# Altium PCB Copy of PCB.PcbDoc (continued)
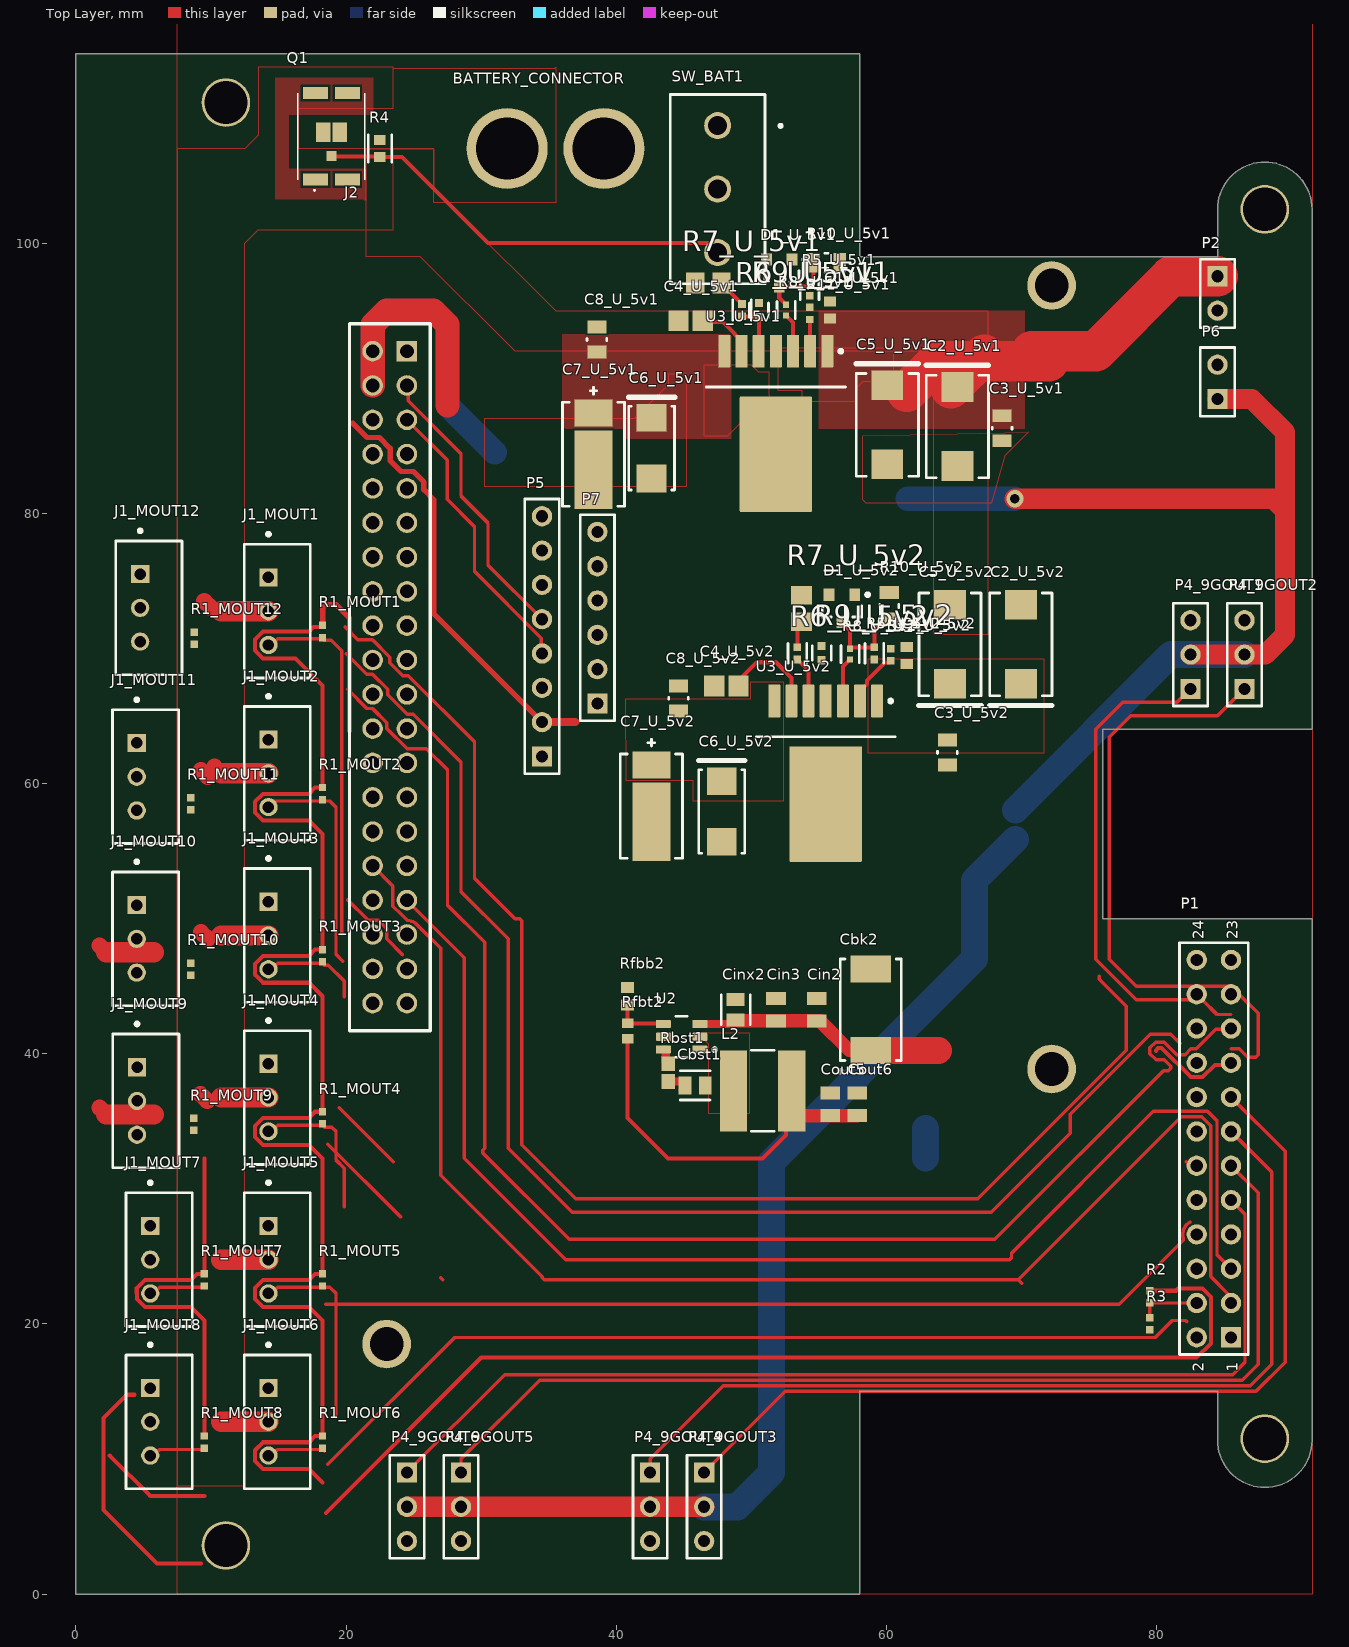
[diagram p0: Top Layer view]
## Footprints (in the part's own frame and the unit in brackets; to place one, negate y for a bottom-side part, rotate by r counter-clockwise, add the part's x,y. Pads: shape width x height; smd on the part's side, far side on the other; paste and mask are expansions set on the pad) (continued)
  rect 5.82x2.82 smd paste+0 mask+0: 1(1.15,0)
  rect 2.02x2.82 smd paste+0 mask+0: 2(-3.05,0)
  silkscreen extent -4.95,-2.3 3.85,2.3, body extent -4.18,-2.42 4.18,2.42, height 0.25
HDR1X2 [mm] "Connector; Header; 2 Position"
  rect 1.5x1.5 hole 0.9: 1(0,0)
  round 1.5 hole 0.9: 2(2.54,0)
  silkscreen extent -1.27,-1.27 3.81,1.27
HDR1X3 [mm] "Connector; Header; 3 Position"
  rect 1.5x1.5 hole 0.9: 1(0,0)
  round 1.5 hole 0.9: 2(2.54,0) 3(5.08,0)
  silkscreen extent -1.27,-1.27 6.35,1.27
HDR1X6 [mm] "Connector; Header; 6 Position"
  rect 1.5x1.5 hole 0.9: 1(0,0)
  round 1.5 hole 0.9: 2(2.54,0) 3(5.08,0) 4(7.62,0) 5(10.16,0) 6(12.7,0)
  silkscreen extent -1.27,-1.27 13.97,1.27
HDR1X8 [mm] "Connector; Header; 8 Position"
  rect 1.5x1.5 hole 0.9: 1(0,0)
  round 1.5 hole 0.9: 2(2.54,0) 3(5.08,0) 4(7.62,0) 5(10.16,0) 6(12.7,0) 7(15.24,0) 8(17.78,0)
  silkscreen extent -1.27,-1.27 19.05,1.27
HDR2X12 [mm] "Connector; Header; 12x2 Position"
  rect 1.5x1.5 hole 0.9: 1(0,0)
  round 1.5 hole 0.9: 2(0,2.54) 3(2.54,0) 4(2.54,2.54) 5(5.08,0) 6(5.08,2.54) 7(7.62,0) 8(7.62,2.54) 9(10.16,0) 10(10.16,2.54) 11(12.7,0) 12(12.7,2.54) 13(15.24,0) 14(15.24,2.54) 15(17.78,0) 16(17.78,2.54) 17(20.32,0) 18(20.32,2.54) 19(22.86,0) 20(22.86,2.54) 21(25.4,0) 22(25.4,2.54) 23(27.94,0) 24(27.94,2.54)
  silkscreen extent -1.27,-1.27 29.21,3.81
IRF9383MTRPBF [mm]
  rect 0.9x1.85 smd: 1(-3.2,1.175) 2(-3.2,-1.175) 6(3.2,1.175) 7(3.2,-1.175)
  rect 0.75x0.75 smd: 3(-1.45,0)
  rect 1.45x1.05 smd: 4(0.3,0.61) 5(0.3,-0.61)
  silkscreen extent -4.05,-2.47 3.2,2.47, body extent -3.56,-2.47 3.56,2.47, height 0.8
KEMT-T495-D_L [mm] "Molded Capacitor, 2-Leads, Body 7.6x4.6mm, IPC High Density"
  rect 2.2x2.35 smd: 1(-2.925,0) 2(2.925,0)
  silkscreen extent -4.52,-2.3 3.8,2.3, body extent -4.02,-2.3 4.02,2.3, height 3.1
Molex_22-03-5035_0 [mm]
  rect 1.35x1.35 hole 0.85 paste-1000 mask+0: 1(2.5,0.65)
  round 1.35 hole 0.85 paste-1000 mask+0: 2(0,0.65) 3(-2.5,0.65)
  silkscreen extent -4.95,-2.45 5.82,2.45, body extent -4.95,-2.45 4.95,2.45, height 5.96
NDW0007A_V [mm] "D2-PAK, 8-Leads, Body 9.9x10.2mm, Pitch 1.27mm, Lead Span 13.8mm, TI Recommended"
  rrect11% 2.41x0.89 smd: 1(-5.35,3.81) 2(-5.35,2.54) 3(-5.35,1.27) 4(-5.35,0) 5(-5.35,-1.27) 6(-5.35,-2.54) 7(-5.35,-3.81)
  rrect2% 8.54x5.35 smd: 8(2.28,0)
  silkscreen extent -5.47,-5.15 -2.7,5.15, body extent -2.55,-5.2 7.55,5.2, height 4.67
ONSC-SOT-23-3-318-08_V [mm] "SOT23, 3-Leads, Body 2.92x1.3mm, Pitch 0.95mm"
  rect 0.9x0.8 smd: 1(-1,0.95) 2(-1,-0.95) 3(1,0)
  silkscreen extent -1.12,-1.46 0.65,2.03, body extent -0.65,-1.46 0.65,1.46, height 1.11
RESC1005X40X25NL05T05 [mm] "Chip Resistor, 2-Leads, Body 1.00x0.50mm, IPC Medium Density"
  rect 0.55x0.55 smd: 1(-0.45,0) 2(0.45,0)
  body extent -0.53,-0.27 0.53,0.28, height 0.4
RESC1608X55N [mm]
  rect 1.1x1 smd: 1(-0.65,0) 2(0.65,0)
  body extent -0.8,-0.4 0.8,0.4, height 0.55
RESC1609X50X30LL10T20 [mm] "Chip Resistor, 2-Leads, Body 1.55x0.85mm, IPC High Density"
  rect 0.7x0.85 smd: 1(-0.575,0) 2(0.575,0)
  body extent -0.82,-0.48 0.82,0.48, height 0.5
RESC1609X50X30NL8T20 [mm] "Chip Resistor, 2-Leads, Body 1.65x0.95mm, IPC Medium Density"
  rect 0.8x0.95 smd: 1(-0.65,0) 2(0.65,0)
  body extent -0.82,-0.48 0.82,0.48, height 0.5
RESC2013X70X40ML20T20 [mm] "Chip Resistor, 2-Leads, Body 2.00x1.25mm, IPC Low Density"
  rect 1.35x1.55 smd: 1(-0.975,0) 2(0.975,0)
  body extent -1.1,-0.72 1.1,0.72, height 0.7
SRN6045_1 [mm]
  rect 2.01x6 smd: 1(-2.15,0) 2(2.15,0)
  silkscreen extent -0.85,-3 0.85,3, body extent -3,-3 3,3, height 4.5
TPSD476K020R0100 [mm] "Molded Capacitor, 2-Leads, Body 7.50x4.5mm"
  rect 2x3 smd: 1(-3,0) 2(3,0)
  silkscreen extent -4.67,-2.25 3.75,2.37, body extent -3.97,-2.25 3.97,2.25, height 3.1

## Part data
BATTERY_CONNECTOR: library part BATTERY_CONNECTOR, "XT60 PRT-10474"
C1_U_5v1 C1_U_5v2: library part CMP-2006-00011-1, Manufacturer=Vitramon, Part Number=VJ0603Y103KXAAC31
C2_U_5v1 C2_U_5v2 C5_U_5v1 C5_U_5v2: library part CMP-2000-07208-1, "Capacitor, Tantalum, 150 uF, +/- 10%, 10 V, -55 to 125 degC, 2-Pin SMD, RoHS, Tape and Reel", Capacitance=150µF, Capacitance Tolerance=±10%, Capacitor Case Style=2917, Capacitor Terminals=SMD, Manufacturer=Kemet, Operating Temperature Range=-55°Cto+125°C, Package Description="2-Pin Surface Mount Device, Body 7.3 x 4.3 mm", Package Reference=T495-D, Voltage Rating=10V, Datasheet URL=http://capacitoredge.kemet.com/capedge2/DataSheet/Datasheet-T495D157K010ATE100.pdf?pn=T495D157K010ATE100, Datasheet Version=09/2016, ESR=0.1ohm, Manufacturer URL=http://www.kemet.com/, Mounting Technology=SurfaceMount, MSL=MSL1-Unlimited
C3_U_5v1 C3_U_5v2 C8_U_5v1 C8_U_5v2: library part CMP-03422-000052-1, "CAP CER 0.047UF 50V X7R 0805", Capacitance="47 nF", Manufacturer=Yageo, Package=CC0805-0.85, Temperature="-30°C to +85°C", Temperature Characteristic=X7R, Temperature Range High=+85°C, Temperature Range Low=-30°C, Tolerance=0.1, Voltage Rating="50 V", Automotive=No, Category=Cap, ComponentLink2Description=Datasheet, ComponentLink2URL=http://www.yageo.com/documents/recent/UPY-GPHC_Y5V_6.3V-to-50V_8.pdf, Device Class L1="Passive Components", Device Class L2=Capacitors, Device Class L3="Ceramic Capacitors", Digikey Description="CAP CER 0.047UF 50V X7R 0805", Footprint Url=http://www.yageo.com/exep/pages/download/literatures/UPY-C_GEN_24.pdf, Height=0.95mm, Ipc Land Pattern Name=CAPC200125X85, Lead Free=Yes, Manufacturer Part Number=CC0805KRX7R9BB473, Material=Ceramic, Mouser Description="Multilayer Ceramic Capacitors MLCC - SMD/SMT 47nF 50V X7R 10%", Octopart=https://octopart.com/cc0805krx7r9bb473-yageo-42181304, RoHS=TRUE
C4_U_5v1 C4_U_5v2: library part CMP-2007-03309-1, Manufacturer=Kemet, Part Number=C0805F474K3RACTU
C6_U_5v1 C6_U_5v2: library part CMP-2000-07293-1, "TPS Series, Low ESR, 100 uF, +/- 10%, 10 V, -55 to 125 degC, 2-Pin SMD (2312), RoHS, Tape and Reel", Capacitance=100000000pF, Case Code=C, Case Style=Molded, Manufacturer=AVX, Operating Temp Range=-55Cto125C, Package / Case=6032-28, Package Description="2-Pin Surface Mount Device, Body 6 x 3.25 mm", Package Reference=C2312, Tolerance (+ or -)=10%, Voltage=10VDC, Construction=SMTChip, Datasheet URL=http://download.siliconexpert.com/pdfs/2016/2/7/1/56/13/306/avx_/manual/6tps.pdf, Datasheet Version=01/2016, DCL=10uA, DELETED=Compliant, DF=8%, ESR=0.075ohm, Failure Rate=NotRequired, Insulation=NotRequired, Lead Spacing (nom)=NotRequiredmm, Length W/Weld=NotRequiredmm, Length W/Weld (max)=NotRequiredmm, Manufacturer URL=http://www.avx.com/, Mounting Style=SurfaceMount, Mounting Technology=SurfaceMount, Package URL=http://download.siliconexpert.com/pdfs/2016/2/7/1/56/13/306/avx_/manual/6tps.pdf, Packaging=TapeandReel, Polarity=Polar, Product Depth (mm)=3.2mm, Product Diameter (mm)=NotRequiredmm, Product Height (mm)=2.6mm, Product Length (mm)=6mm, Rad Hardened=No, Seal=NotRequired, Seated Plane Height=NotRequiredmm, Wire Form=NotRequired
C7_U_5v1 C7_U_5v2: library part CMP-03017-000006-1, "CAP TANT POLY 220UF 6.3V 2917", Capacitance=220uF, Case Code (Imperial)=2917, Case Code (Metric)=7343, ESR (Equivalent Series Resistance)=9mR, Leakage Current=138.6uA, Max Operating Temperature=105°C, Min Operating Temperature=-55°C, Package Quantity=1, Ripple Current=6A, Tolerance=20%, Voltage Rating=6.3V, Case/Package=2917, Construction=Flat, Depth=4.3mm, Dissipation Factor=10%, Features="General Purpose", Height=1.7mm, Height - Seated (Max)=0.067inch, Length=7.3mm, Mount="Surface Mount", Packaging="Tape and Reel", Polarity=Polar, REACH SVHC="No SVHC", RoHS Compliant=Yes, Series="KO-CAP T528", Termination=SMD/SMT, Voltage Rating (DC)=6.3V, Width=4.3mm
Cbk2: "CAP TANT 47UF 20V 10% 2917", Capacitance=47uF, Case Code (Imperial)=2917, Case Code (Metric)=7343, Dielectric Material=Tantalum, ESR (Equivalent Series Resistance)=100mR, Leakage Current=9.4uA, Manufacturer="Kyocera AVX", Max Operating Temperature=125°C, Min Operating Temperature=-55°C, Package Quantity=1, Ripple Current=490uA, Tolerance=10%, Voltage=20V, Case/Package=2917, Category="Tantalum Capacitors", ComponentLink1Description=https://datasheet.ciiva.com/11794/0900766b80962b61-11794592.pdf?src-supplier=RSComponents, ComponentLink1URL=https://datasheet.ciiva.com/11794/0900766b80962b61-11794592.pdf?src-supplier=RSComponents, ComponentLink2Description=https://datasheet.ciiva.com/39121/1154520-39121511.pdf?src-supplier=Jameco, ComponentLink2URL=https://datasheet.ciiva.com/39121/1154520-39121511.pdf?src-supplier=Jameco, ComponentLink3Description=https://datasheet.ciiva.com/26787/tpsd476k020r0100-26787068.pdf?src-supplier=IIIC, ComponentLink3URL=https://datasheet.ciiva.com/26787/tpsd476k020r0100-26787068.pdf?src-supplier=IIIC, ComponentLink4Description=https://datasheet.ciiva.com/7713/1680477-7713477.pdf?src-supplier=Element14, ComponentLink4URL=https://datasheet.ciiva.com/7713/1680477-7713477.pdf?src-supplier=Element14, ComponentLink5Description=https://datasheet.ciiva.com/7713/1680477-7713478.pdf?src-supplier=Element14, ComponentLink5URL=https://datasheet.ciiva.com/7713/1680477-7713478.pdf?src-supplier=Element14, ComponentLink6Description=https://datasheet.ciiva.com/16632/tps-16632569.pdf?src-supplier=Avnet+Europe, ComponentLink6URL=https://datasheet.ciiva.com/16632/tps-16632569.pdf?src-supplier=Avnet+Europe, ComponentLink7Description=https://datasheet.ciiva.com/12910/tps-23028-12910555.pdf?src-supplier=Mouser, ComponentLink7URL=https://datasheet.ciiva.com/12910/tps-23028-12910555.pdf?src-supplier=Mouser, ComponentLink8Description=https://datasheet.ciiva.com/11232/tps-11232172.pdf?src-supplier=Avnet, ComponentLink8URL=https://datasheet.ciiva.com/11232/tps-11232172.pdf?src-supplier=Avnet, ComponentLink9Description=https://datasheet.ciiva.com/265/tps-265005.pdf?src-supplier=Digi-Key, ComponentLink9URL=https://datasheet.ciiva.com/265/tps-265005.pdf?src-supplier=Digi-Key, ComponentLink10Description=https://datasheet.ciiva.com/265/tps-265006.pdf?src-supplier=Digi-Key, ComponentLink10URL=https://datasheet.ciiva.com/265/tps-265006.pdf?src-supplier=Digi-Key, ComponentLink11Description=https://datasheet.ciiva.com/265/tps-265007.pdf?src-supplier=Digi-Key, ComponentLink11URL=https://datasheet.ciiva.com/265/tps-265007.pdf?src-supplier=Digi-Key, Depth=4.3mm, Dissipation Factor=6%, Features="General Purpose", Height=2.9mm, Height - Seated (Max)=0.122inch, Lead Free="Lead Free", Length=7.3mm, Manufacturer Part Number=TPSD476K020R0100, Mount="Surface Mount", Packaging="Tape and Reel", Polarity=Polar, Pricing 1="1=1.88550, 10=1.55250, 25=1.53920, 50=1.52390, 100=1.08810, 1000=1.02300 (USD)", Radiation Hardening=No, REACH SVHC="No SVHC", RoHS=Yes, Stock 1=2, Supplier 1="Arrow Electronics", Termination=SMD/SMT, Voltage Rating=20V, Weight=0.023634oz, Width=4.3mm
Cbst1 Cinx2: library part CMP-03020-020207-1, "CAP CER 0.1UF 50V X7R 0805", Capacitance="0.10 μF", Manufacturer=KEMET, Package=C0805C-DN, Temperature="-55°C to +125°C", Temperature Characteristic=X7R, Temperature Coefficient=30ppm/°C, Temperature Range High=+125°C, Temperature Range Low=-55°C, Tolerance=0.2, Voltage Rating="50 V", Automotive=No, Category=Cap, ComponentLink2Description=Datasheet, ComponentLink2URL=https://content.kemet.com/datasheets/KEM_C1003_C0G_SMD.pdf, Device Class L1="Passive Components", Device Class L2=Capacitors, Device Class L3="Ceramic Capacitors", Digikey Description="CAP CER 0.1UF 50V X7R 0805", Height=0.88mm, Ipc Land Pattern Name=CAPC200125X78, Lead Free=Yes, Manufacturer Part Number=C0805C104M5RACTU, Material=Ceramic, Mouser Description="Multilayer Ceramic Capacitors MLCC - SMD/SMT 50volts 0.1uF X7R 20%", Octopart=https://octopart.com/c0805c104m5ractu-kemet-129379, RoHS=TRUE
Cin2 Cin3: "Capacitor", Manufacturer_Name="Murata Electronics", Mouser2 Part Number=81-GRM21BR61E106MA3L, Datasheet Link=https://componentsearchengine.com//GRM21BR61E106MA73L.pdf, Height=1.45mm, Manufacturer_Part_Number=GRM21BR61E106MA73L, Mouser2 Price/Stock=https://www.mouser.com/Search/Refine.aspx?Keyword=81-GRM21BR61E106MA3L
Cout5 Cout6: "Capacitor", Manufacturer_Name=TDK, Mouser2 Part Number=810-C2012X7S1A226MAC, Datasheet Link=https://componentsearchengine.com//C2012X7S1A226M125AC.pdf, Height=1.45mm, Manufacturer_Part_Number=C2012X7S1A226M125AC, Mouser2 Price/Stock=https://www.mouser.com/Search/Refine.aspx?Keyword=810-C2012X7S1A226MAC
D1_U_5v1 D1_U_5v2: library part CMP-1060-00895-1, "Zener Voltage Regulator, 225 mW, 3-Pin SOT-23, Pb-Free, Tape and Reel", Manufacturer="On Semiconductor", ComponentLink1Description="Manufacturer URL", ComponentLink1URL=http://www.onsemi.com/, ComponentLink2Description=Datasheet, ComponentLink2URL=http://www.onsemi.com/pub_link/Collateral/BZX84C2V4LT1-D.PDF, ComponentLink3Description="Package Specification", ComponentLink3URL=http://www.onsemi.cn/pub_link/Collateral/318-08.PDF, DatasheetVersion="Rev. 17", Mounting Technology="Surface Mount", PackageDescription="3-Pin Small Outline Transistor, Body 2.92 x 1.3 mm, Pitch 0.95 mm", PackageReference=SOT-23-3-318-08, PackageVersion="Rev. AP, 11/2009", Packing="Tape and Reel", PartNumber=SZBZX84B5V1LT1G, RoHS=Pb-Free, VZ Typ (V)=5.1
J1_MOUT1 J1_MOUT2 J1_MOUT3 J1_MOUT4 J1_MOUT5 J1_MOUT6 J1_MOUT7 J1_MOUT8 J1_MOUT9 J1_MOUT10 J1_MOUT11 J1_MOUT12: "CONN 3 Positions Header Connector 0.098\" (2.50mm) Through Hole Tin", contact_resistance=20mΩ, Current_Rating=3A, Digikey Part Number=WM18887-ND, flammability_rating="UL 94 V-0", insulation_resistance=1GΩ, Manufacturer=Molex, Mouser Part Number=538-22-03-5035, Octopart Part Number=2021e92f3fb6ffe6, Package=CONN_PTH_HDR3, Part Number=22-03-5035, Temperature="-40°C to +105°C", Temperature Range High=+105°C, Temperature Range Low=-40°C, voltage_rating_ac=250V, Category 75Fab8F04590Ae3D="Connectors and Adapters", Category 0836C53C3D42D3F1=Connectors, Category E7012A0Bd22E3Cc6="Headers & Receptacles", ComponentLink1Description=Upverter, ComponentLink1URL=https://upverter.com/upn/revision/5f4eec58f2a5589a/, ComponentLink2Description=Datasheet, ComponentLink2URL=http://www.molex.com/pdm_docs/sd/022035035_sd.pdf, contact_material=Brass, contact_plating=Tin, Digikey Description="CONN 3 Positions Header Connector 0.098\" (2.50mm) Through Hole Tin", gender=Female, glow_wire_compliant=Non-Compliant, halogen_free_status="Not Low Halogen", helpURL=https://upverter.com/upn/revision/5f4eec58f2a5589a/, Lead Free=yes, lifecycle_status=Active, Mounting Type=pcb, Num Pins=3, number_of_circuits=3, number_of_contacts=3, number_of_positions=3, number_of_rows=1, orientation=Vertical, pin_pitch=2.5mm, Price=0.362417304973, RoHS=TRUE, shrouded=Yes, size_height=5.9mm, size_length=9.9mm, size_width=4.9mm, Supplier 1=Digi-Key, Supplier 2=Mouser, Supplier Part Number 1=WM18887-ND, Supplier Part Number 2=538-22-03-5035, voltage_rating_dc=250V
J2: "ESQ Series .100 PC/104â„¢ Elevated Socket Strip", Package=None, Digi-Key_Part_Number=ESQ-120-38-S-D-ND, Digi-Key_Purchase_URL=https://www.digikey.com/product-detail/en/samtec-inc/ESQ-120-38-S-D/ESQ-120-38-S-D-ND/7098755?utm_source=snapeda&utm_medium=aggregator&utm_campaign=symbol, MF=Samtec, MP=ESQ-120-38-S-D, SnapEDA_Link=https://www.snapeda.com/parts/ESQ-120-38-S-D/Samtec%20Inc/view-part/786160/?ref=snap
L2: "Inductor", Manufacturer_Name=Bourns, Datasheet Link=https://www.bourns.com/data/global/pdfs/SRN6045.pdf, Manufacturer_Part_Number=SRN6045-4R7Y
P1: "Header, 12-Pin, Dual row", LatestRevisionDate=17-Jul-2002, LatestRevisionNote="Re-released for DXP Platform.", Publisher="Altium Limited"
P2 P6: "Header, 2-Pin", LatestRevisionDate=17-Jul-2002, LatestRevisionNote="Re-released for DXP Platform.", Publisher="Altium Limited"
P4_9GOUT1 P4_9GOUT2 P4_9GOUT3 P4_9GOUT4 P4_9GOUT5 P4_9GOUT6: "Header, 3-Pin", LatestRevisionDate=17-Jul-2002, LatestRevisionNote="Re-released for DXP Platform.", Publisher="Altium Limited"
P5: "Header, 8-Pin", LatestRevisionDate=17-Jul-2002, LatestRevisionNote="Re-released for DXP Platform.", Publisher="Altium Limited"
P7: "Header, 6-Pin", LatestRevisionDate=17-Jul-2002, LatestRevisionNote="Re-released for DXP Platform.", Publisher="Altium Limited"
Q1: "MOSFET (P-Channel)", Manufacturer_Name=Infineon, Datasheet Link=https://www.infineon.com/dgdl/irf9383mpbf.pdf?fileId=5546d462533600a40153561169a11dab, Height=0.7mm, Manufacturer_Part_Number=IRF9383MTRPBF
R1_MOUT1 R1_MOUT2 R1_MOUT3 R1_MOUT4 R1_MOUT5 R1_MOUT6 R1_MOUT7 R1_MOUT8 R1_MOUT9 R1_MOUT10 R1_MOUT11 R1_MOUT12 R2: library part CMP-2002-08135-1, Manufacturer="Vishay Dale", Part Number=CRCW040210K0FKED
R3: library part CMP-2002-08452-1, Manufacturer="Vishay Dale", Part Number=CRCW04022K20FKED
R4: library part CMP-02407-007815-1, "RES Thick Film, 100kΩ, 1%, 0.33W, 100ppm/°C, 0603", Case Code (Imperial)=0603, Case Code (Metric)=1608, Max Operating Temperature=155°C, Max Power Dissipation=250mW, Min Operating Temperature=-55°C, Package Quantity=10, Resistance=100kR, Temperature Coefficient=100ppm/°C, Tolerance=1%, Voltage Rating=75V, Case/Package=0603, Composition="Thick Film", Contact Plating=Tin, Depth=0.85mm, Features="Automotive AEC-Q200", Height=0.45mm, Lead Free="Lead Free", Length=1.6mm, Military Standard=Not, Number of Terminations=2, Packaging="Tape and Reel", Power Rating=250mW, Radiation Hardening=No, Termination=SMD/SMT, Voltage Rating (DC)=75V, Weight=7.1E-05oz, Width=0.8mm
R5_U_5v1 R5_U_5v2 R6_U_5v1 R6_U_5v2: library part CMP-2002-08356-2, "RES Thick Film, 20kΩ, 1%, 0.063W, 100ppm/°C, 0402", Case Code (Imperial)=0402, Case Code (Metric)=1005, Max Operating Temperature=155°C, Max Power Dissipation=63mW, Min Operating Temperature=-55°C, Package Quantity=10, Resistance=20kR, Temperature Coefficient=100ppm/°C, Tolerance=1%, Voltage Rating=50V, Case/Package=0402, Composition="Thick Film", Contact Plating=Tin, Depth=0.5mm, Features="Automotive AEC-Q200", Height=0.35mm, Lead Free="Lead Free", Length=1mm, Military Standard=Not, Mount="Surface Mount", Number of Pins=2, Number of Terminations=2, Packaging="Tape and Reel", Power Rating=63mW, Radiation Hardening=No, Termination=SMD/SMT, Voltage Rating (DC)=50V, Weight=2.3E-05oz, Width=0.5mm, Working Voltage=50V
R7_U_5v1 R7_U_5v2: library part CMP-2001-00549-5, "Chip Resistor, 470 Ohm, +/- 1%, 0.125 W, -55 to 155 degC, 0805 (2012 Metric), RoHS, Tape and Reel", Manufacturer=Panasonic, Max Operating Temperature="155 degC", Min Operating Temperature="-55 degC", Package Quantity=1, Voltage Rating="150 V", ComponentLink1Description="Manufacturer URL", ComponentLink1URL=http://www.panasonic.com/, ComponentLink2Description=Datasheet, ComponentLink2URL=http://industrial.panasonic.com/cdbs/www-data/pdf/RDA0000/AOA0000C86.pdf, DatasheetVersion=04/2015, Height="0.6 mm", Length="2 mm", Mount="Surface Mount", Mounting Technology="Surface Mount", PackageDescription="2-Pin Surface Mount Device, Body 2 x 1.25 mm", PackageReference=0805, Packaging="Cut Tape", Pins=2, REACH SVHC=Yes, RoHSCompliant=true
R8_U_5v1 R8_U_5v2: library part CMP-1011-00397-3, "RES Thick Film, 100Ω, 1%, 0.063W, 100ppm/°C, 0402", Case Code (Imperial)=0402, Case Code (Metric)=1005, Max Operating Temperature=155°C, Max Power Dissipation=63mW, Min Operating Temperature=-55°C, Package Quantity=10, Resistance=100R, Temperature Coefficient=100ppm/°C, Tolerance=1%, Voltage Rating=50V, Case/Package=0402, Composition="Thick Film", Contact Plating=Tin, Depth=0.5mm, Features="Automotive AEC-Q200", Height=0.35mm, Lead Free="Lead Free", Length=1mm, Military Standard=Not, Mount="Surface Mount", Number of Terminations=2, Packaging="Tape and Reel", Power Rating=63mW, Radiation Hardening=No, Termination=SMD/SMT, Voltage Rating (DC)=50V, Weight=2.3E-05oz, Width=0.02inch, Working Voltage=50V
R9_U_5v1 R9_U_5v2: library part CMP-2002-08592-2, "RES Thick Film, 3.9kΩ, 1%, 0.063W, 100ppm/°C, 0402", Case Code (Imperial)=0402, Case Code (Metric)=1005, Max Operating Temperature=155°C, Max Power Dissipation=63mW, Min Operating Temperature=-55°C, Package Quantity=10, Resistance=3.9kR, Temperature Coefficient=100ppm/°C, Tolerance=1%, Voltage Rating=50V, Case/Package=0402, Composition="Thick Film", Contact Plating=Tin, Depth=0.5mm, Features="Automotive AEC-Q200", Height=0.35mm, Lead Free="Lead Free", Length=1mm, Military Standard=Not, Number of Terminations=2, Packaging="Tape and Reel", Power Rating=63mW, Radiation Hardening=No, Termination=SMD/SMT, Voltage Rating (DC)=50V, Weight=2.3E-05oz, Width=0.5mm, Working Voltage=50V
R10_U_5v1 R10_U_5v2: library part CMP-02407-003498-1, "RES Thick Film, 40kΩ, 1%, 0.125W, 100ppm/°C, 0805", Case/Package=0805, Max Operating Temperature=155°C, Max Power Dissipation=125mW, Min Operating Temperature=-55°C, Package Quantity=5000, Resistance=40kR, Temperature Coefficient=100ppm/°C, Tolerance=1%, Composition="Thick Film", Features="Automotive AEC-Q200", Height=0.02inch, Lead Free="Lead Free", Length=0.079inch, Number of Terminations=2, Packaging="Tape and Reel", Width=0.049inch
R11_U_5v1 R11_U_5v2: library part CMP-2002-08297-1, Manufacturer="Vishay Dale", Part Number=CRCW04021K50FKED
Rbst1: "Resistor", Manufacturer_Name="YAGEO (PHYCOMP)", Datasheet Link=http://www.yageo.com/documents/recent/PYu-RC0603_51_RoHS_L_v5.pdf, Height=0.55mm, Manufacturer_Part_Number=RC0603FR-0730RL
Rfbb2: library part CMP-1666-00005-4, "Chip Resistor, 10 KOhm, +/- 1%, 100 mW, -55 to 155 degC, 0603 (1608 Metric), RoHS, Tape and Reel", Manufacturer="Vishay Semiconductor", Max Operating Temperature="155 degC", Min Operating Temperature="-55 degC", Package Quantity=5000, Voltage Rating="75 V", ComponentLink1Description="Manufacturer URL", ComponentLink1URL=http://www.vishay.com/, ComponentLink2Description=Datasheet, ComponentLink2URL=https://datasheet.ciiva.com/11809/0900766b80d98afc-11809037.pdf, DatasheetVersion=06/2012, Height="0.45 mm", Length="1.55 mm", Mounting Technology="Surface Mount", PackageDescription="2-Pin Surface Mount Device, Body 1.575 x 0.85 mm", PackageReference=0603, Packaging="Tape and Reel", REACH SVHC=Unknown, RoHSCompliant=true
Rfbt2: library part CMP-2000-03227-1, Manufacturer="Vishay Dale", Part Number=CRCW060330K9FKEA
SW_BAT1: "NKK SWITCHES - CS12ANW03 - SWITCH, SLIDE, SPDT, 3A, 250V, TH", Manufacturer_Name="NKK Switches", RS Part Number=1251847, Allied Price/Stock=https://www.alliedelec.com/nkk-switches-cs12anw03/70228233/, Allied_Number=70228233, Arrow Part Number=CS12ANW03, Arrow Price/Stock=https://www.arrow.com/en/products/cs12anw03/nkk-switches, Datasheet Link=http://www.nkkswitches.com/pdf/cs.pdf, Manufacturer_Part_Number=CS12ANW03, RS Price/Stock=http://uk.rs-online.com/web/p/products/1251847
U2: library part CMP-04918-000012-1, "PWR MGMT SPECIALIZED REGULATOR", Manufacturer="Texas Instruments", Max Junction Temp=+125°C, Max Supply Voltage=24V, Min Supply Voltage=4.5V, Nominal Supply Current=98uA, Output Current=3A, Output Voltage=0.8-16V, Package=DDC0006A, Switching Frequency=500kHz, Temperature="-40°C to +125°C", Temperature Range Low=-40°C, Automotive=No, Category=IC, ComponentLink2Description=Datasheet, ComponentLink2URL=http://www.ti.com/lit/ds/symlink/tps56339.pdf, Device Class L1="Integrated Circuits (ICs)", Device Class L2="Power Management ICs", Device Class L3="Voltage Regulators - Switching", Digikey Description="PWR MGMT SPECIALIZED REGULATOR", Height=1.1mm, Lead Free=Yes, Manufacturer Part Number=TPS56339DDCR, Max Duty Cycle=97%, Mouser Description="4.5-V to 24-V input, 3-A output synchronous buck converter 6-SOT-23-THIN -40 to 125", Number Of Outputs=1, Octopart=https://octopart.com/tps56339ddcr-texas+instruments-101466410, Output Type=AdjustableProgrammable, RoHS=TRUE, Standoff Height=0mm, Switching Topology=Buck, Temperature Range High=+125°C
U3_U_5v1 U3_U_5v2: library part CMP-0069-02058-2, "5A SIMPLE SWITCHER® Power Module with 36V Maximum Input Voltage, 7 pin TO-PMOD, 45 Rail", Manufacturer="Texas Instruments", PackageTopMarking=NSUZXYTTE#*LMZ23605, PowerWise=N, ComponentLink1Description="Datasheet URL", ComponentLink1URL=http://www.ti.com/general/docs/lit/getliterature.tsp?genericPartNumber=LMZ23605&fileType=pdf, CompType=Switcher, PackageDescription="TO-PMOD-7, 10.16 x 9.85 x 4.57 mm Body, 7 Lead, 1.27mm Pitch, Surface Mount", PackageReference=NDW0007A, PinCount=7, RoHS=Y

## Free pads (board coordinates)
  round 3.6 hole 3.2 paste+0 mask+0.4: 2(11.1,3.6) 2(11.1,110.4) 2(88,11.5) 2(88,102.5)
  round 3.6 hole 2.5: 3(23,18.5) 3(72.224,38.867) 3(72.224,96.867)

## Via types
v1: diameter 1.27, hole 0.711, Top Layer to Bottom Layer, 1 vias

## Nets (pads, with @x,y where several pads share a name; then routed paths per layer and width w, separated by ;. In a path a pad name is that pad's centre, name@x,y a point inside that pad or via, vN(x,y) a via of type N, cw(c..) or ccw(c..) an arc to the next point about the centre after c; other vN are vias at no path point)
3V3: Cout5.2 Cout6.2 L2.2 P5.2 R1_MOUT1.2 R1_MOUT2.2 R1_MOUT3.2 R1_MOUT4.2 R1_MOUT5.2 R1_MOUT6.2 R1_MOUT7.2 R1_MOUT8.2 R1_MOUT9.2 R1_MOUT10.2 R1_MOUT11.2 R1_MOUT12.2 Rfbt2.2 | length 214.3
  Top Layer w0.3: R1_MOUT8.2 9.5,20.25 8.5,21.25 5.107,21.25 4.515,21.842 4.515,22.25 4.5,22.265 4.5,22.643 5.107,23.25 8.5,23.25 8.95,23.7 R1_MOUT7.2 9.5,32.25 ; 18.25,8.25 17.25,9.25 13.857,9.25 13.265,9.842 13.265,10.235 13.25,10.25 13.25,10.643 13.842,11.235 17.235,11.235 17.7,11.7 R1_MOUT6.2 18.25,20.25 17.25,21.25 13.857,21.25 13.265,21.842 13.265,22.235 13.25,22.25 13.25,22.643 13.842,23.235 17.235,23.235 17.7,23.7 R1_MOUT5.2 18.25,32.25 17.25,33.25 13.857,33.25 13.265,33.842 13.265,34.235 13.25,34.25 13.25,34.643 13.842,35.235 17.235,35.235 17.7,35.7 R1_MOUT4.2 18.25,44.25 17.25,45.25 13.857,45.25 13.265,45.842 13.265,46.235 13.25,46.25 13.25,46.643 13.842,47.235 17.235,47.235 17.7,47.7 R1_MOUT3.2 18.25,56.25 17.25,57.25 13.857,57.25 13.265,57.842 13.265,58.235 13.25,58.25 13.25,58.649 13.836,59.235 17.235,59.235 17.7,59.7 R1_MOUT2.2 18.25,67.25 16.25,69.25 13.857,69.25 13.265,69.842 13.265,70.235 13.25,70.25 13.25,70.643 13.857,71.25 17.25,71.25 17.575,71.575 18.125,71.575 R1_MOUT1.2 ; Rfbt2.2 40.83,35.25 43.83,32.25 50.83,32.25 52.556,33.976 52.556,35.851 L2.2@52.98,36.275 ; L2.2 L2.2@52.98,36.275 ; L2.2@53.835,35.42 L2.2@52.98,36.275
  Top Layer w0.4: R1_MOUT1.2 18.274,71.724 18.274,73.016 18.509,73.25 19.25,73.25 20.25,72.25 20.25,63.902 ; 20.5,86.652 21.542,85.61 22.458,85.61 23.262,84.806 23.262,83.89 24.057,83.094 24.974,83.094 25.753,82.315 25.753,81.747 26.5,81 26.5,72.54 P5.2
  Top Layer w0.6: P5.2 36.96,64.54
  Top Layer w1: L2.2@53.835,35.42 Cout5.2 Cout6.2
5V: C6_U_5v1.1 C6_U_5v2.1 C7_U_5v1.2 C7_U_5v2.2 C8_U_5v1.1 C8_U_5v2.1 J2.2 J2.4 P4_9GOUT1.2 P4_9GOUT2.2 P4_9GOUT3.2 P4_9GOUT4.2 P4_9GOUT5.2 P4_9GOUT6.2 P6.1 P7.1 R7_U_5v1.2 R7_U_5v2.2 U3_U_5v1.7 U3_U_5v2.7 | length 201.8
  Top Layer w1.5: P4_9GOUT6.2 P4_9GOUT5.2 P4_9GOUT4.2 P4_9GOUT3.2 ; v1(69.5,81.08) 84.5,81.08 88.621,81.08 89.5,80.201 ; P4_9GOUT1.2 P4_9GOUT2.2 88.04,69.54 89.5,71 89.5,80.201 ; P6.1 87.04,88.46 89.5,86 89.5,80.201
  Top Layer w1.8: J2.4 J2.2 21.96,93.946 23.014,95 26.446,95 27.5,93.946 27.5,88
  Bottom Layer w1.8: J2.4 J2.2 21.96,93.946 23.014,95 26.446,95 27.5,93.946 27.5,88 31,84.5 ; 61.58,81.08 v1(69.5,81.08)
  Bottom Layer w2: P4_9GOUT3.2 48.96,6.46 51.5,9 51.5,32 64.5,45 66.5,47 66.5,52.82 69.545,55.865 ; 62.875,32.285 62.875,34.465 ; 69.545,58.045 81.04,69.54 P4_9GOUT1.2 P4_9GOUT2.2
DATA1: J1_MOUT1.3 P1.23 R1_MOUT1.1 | length 128.9
  Top Layer w0.254: J1_MOUT1.3@14.364,70.485 14.731,70.485 14.947,70.7 18.25,70.7 18.356,70.594 18.906,70.594 19.663,69.837 19.663,59.337 19.664,59.336 19.664,48.836 ; 19.914,71.586 20.869,70.631 21.953,70.631 23.23,69.354 23.23,68.927 24.176,67.981 24.603,67.981 29.5,63.084 29.5,53 32.5,50 32.851,50 33,49.851 33,33.25 37,29.25 66.75,29.25 77.75,40.25 77.75,43.5 75.75,45.5 75.75,45.75
DATA2: J1_MOUT2.3 P1.21 R1_MOUT2.1 | length 117.5
  Top Layer w0.254: J1_MOUT2.3@13.919,58.7 18.25,58.7 18.8,58.7 19.25,58.25 19.25,47.367 19.763,46.854 ; 20.013,69.604 21.525,68.091 21.953,68.091 23.064,66.979 23.064,66.552 24.507,65.109 24.976,65.109 28.5,61.585 28.5,52 32,48.5 32,33 36.75,28.25 67.75,28.25 73.609,34.109 73.609,35.524 79.532,41.446 81.054,41.446 81.75,40.75
DATA3: J1_MOUT3.3 P1.19 R1_MOUT3.1 | length 115.5
  Top Layer w0.254: J1_MOUT3.3@14.509,46.485 14.731,46.485 14.947,46.7 18.25,46.7 18.394,46.556 18.687,46.556 19.865,45.379 19.865,44.212 ; 20.115,66.962 21.525,65.551 21.953,65.551 23.009,64.495 23.009,64.068 24.507,62.569 25.931,62.569 27.5,61 27.5,51 30.25,48.25 30.25,33 30.105,32.855 30.105,32.645 36.5,26.25 68,26.25 80.5,38.75 80.848,38.75 81.025,38.927 81.025,39.081 80.564,39.542 79.958,39.542 79.497,40.003 79.497,40.428 79.929,40.86 80.553,40.86 81.481,39.932 82.105,39.932 82.53,40.357 82.924,40.357 84.369,41.802 85.442,41.802 P1.19
DATA4: J1_MOUT4.3 P1.17 R1_MOUT4.1 | length 24.5
  Top Layer w0.254: J1_MOUT4.3@14.179,34.7 14.395,34.485 14.731,34.485 14.947,34.7 18.25,34.7 18.398,34.552 18.948,34.552 19.25,34.25 19.25,32.127 19.852,31.524 19.852,28.648 ; 20.102,51.398 21.631,49.869 22.395,49.869 23.009,49.255 23.009,48.491 24.171,47.329
  Top Layer w0.3: 79.934,40.184 79.934,40.247 80.11,40.423 80.358,40.423 82.521,38.26 83.399,38.26 84.3,39.161 85.341,39.161 P1.17
DATA5: J1_MOUT5.3 P1.15 R1_MOUT5.1 | length 20.7
  Top Layer w0.254: J1_MOUT5.3@14.419,22.485 14.731,22.485 14.947,22.7 18.8,22.7 19.25,22.25 19.25,13.25 ; 19.5,36 23.5,32 ; 82.188,32 82.25,31.938 83.053,31.938
DATA6: J1_MOUT6.3 P1.13 R1_MOUT6.1 | length 12.1
  Top Layer w0.254: J1_MOUT6.3@14.195,10.7 14.41,10.485 14.731,10.485 14.947,10.7 18.25,10.7 18.35,10.7 18.398,10.652 R1_MOUT6.1@18.398,10.552 ; 18.648,33.302 24.04,27.91
DATA7: J1_MOUT7.3 P1.24 R1_MOUT7.1 | length 71.1
  Top Layer w0.254: J1_MOUT7.3@5.564,22.7 5.78,22.485 5.981,22.485 6.197,22.7 R1_MOUT7.1@9.5,22.7 ; 18.5,21.45 77.213,21.45 81.962,26.199 81.962,26.305 81.962,26.338 cw(c82.96,26.62) 82.482,27.54
DATA8: J1_MOUT8.3 P1.22 R1_MOUT8.1 | length 72.7
  Top Layer w0.254: J1_MOUT8.3@5.32,10.52 5.5,10.7 5.715,10.485 5.981,10.485 6.197,10.7 9.5,10.7 R1_MOUT8.1@9.648,10.848 ; 18.648,9.598 28.038,18.988 79.894,18.988 81.156,20.25 82.133,20.25 82.242,20.141
DATA9: J1_MOUT9.3 P1.20 R1_MOUT9.1
DATA10: J1_MOUT10.3 P1.18 R1_MOUT10.1
DATA11: J1_MOUT11.3 P1.16 R1_MOUT11.1
DATA12: J1_MOUT12.3 P1.14 R1_MOUT12.1
GND: BATTERY_CONNECTOR.1 C1_U_5v1.1 C1_U_5v2.1 C2_U_5v1.2 C2_U_5v2.2 C3_U_5v1.2 C3_U_5v2.2 C4_U_5v1.1 C4_U_5v2.1 C5_U_5v1.2 C5_U_5v2.2 C6_U_5v1.2 C6_U_5v2.2 C7_U_5v1.1 C7_U_5v2.1 C8_U_5v1.2 C8_U_5v2.2 Cbk2.2 Cin2.1 Cin3.1 Cinx2.2 Cout5.1 Cout6.1 D1_U_5v1.1 D1_U_5v2.1 J1_MOUT1.1 J1_MOUT2.1 J1_MOUT3.1 J1_MOUT4.1 J1_MOUT5.1 J1_MOUT6.1 J1_MOUT7.1 J1_MOUT8.1 J1_MOUT9.1 J1_MOUT10.1 J1_MOUT11.1 J1_MOUT12.1 J2.6 J2.9 J2.14 J2.20 J2.25 J2.30 J2.34 J2.39 P1.1 P1.2 P2.2 P4_9GOUT1.3 P4_9GOUT2.3 P4_9GOUT3.3 P4_9GOUT4.3 P4_9GOUT5.3 P4_9GOUT6.3 P5.3 P6.2 P7.2 pad.2@11.1,3.6 pad.2@88,11.5 pad.2@88,102.5 R3.1 R9_U_5v1.1 R9_U_5v2.1 R10_U_5v1.2 R10_U_5v2.2 R11_U_5v1.1 R11_U_5v2.1 Rfbb2.2 SW_BAT1.2 U2.1 U3_U_5v1.4 U3_U_5v1.8 U3_U_5v2.4 U3_U_5v2.8
NetBATTERY_CONNECTOR_0: BATTERY_CONNECTOR.0 Q1.4 Q1.5 R4.1
NetC4_U_5v1_2: C4_U_5v1.2 U3_U_5v1.6 | length 4.5
  Top Layer w0.3: C4_U_5v1.2@46.25,94.17 47.89,94.17 48.757,93.303 48.757,93.273 49.01,93.02 49.01,92.12 49.13,92 U3_U_5v1.6
NetC4_U_5v2_2: C4_U_5v2.2 U3_U_5v2.6 | length 7.1
  Top Layer w0.3: C4_U_5v2.2@49,67.225 49,67.575 50.4,68.975 51.8,68.975 52.96,67.815 U3_U_5v2.6
NetCbst1_1: Cbst1.1 Rbst1.2 | length 1.7
  Top Layer w0.3: Rbst1.2@43.83,38.25 Rbst1.2@44.155,37.925 ; Cbst1.1@44.755,37.325 Cbst1.1 Cbst1.1@44.955,37.525
  Top Layer w0.6: Rbst1.2@44.155,37.925 Cbst1.1@44.755,37.925
NetCbst1_2: Cbst1.2 L2.1 U2.2 | length 0.6
  Top Layer w0.3: L2.1@48.28,37.65 L2.1
NetD1_U_5v1_3: D1_U_5v1.3 R5_U_5v1.1 R8_U_5v1.1 R10_U_5v1.1 | length 5.6
  Top Layer w0.3: R8_U_5v1.1 52.558,95.447 52.06,95.945 D1_U_5v1.3 54.106,96.795 54.308,96.997 R5_U_5v1.1 R5_U_5v1.1 54.585,97.27 R10_U_5v1.1
NetD1_U_5v2_3: D1_U_5v2.3 R5_U_5v2.1 R8_U_5v2.1 R10_U_5v2.1 | length 6.8
  Top Layer w0.3: D1_U_5v2.3 56.7,71.925 57.3,71.325 R8_U_5v2.1 57.302,69.979 57.402,70.079 R5_U_5v2.1 59.1,71.325 59.95,72.175 R10_U_5v2.1
NetP1_4: P1.4 R2.1 R3.2 | length 4.6
  Top Layer w0.254: R3.2 R2.1 79.505,21.545 82.955,21.545 P1.4
NetQ1_3: Q1.3 R4.2 SW_BAT1.3 | length 31.3
  Top Layer w0.3: Q1.3 18.948,106.412 22.462,106.412 R4.2 24.127,106.373 30.5,100 SW_BAT1.3@47.5,100
NetR6_U_5v1_1: R6_U_5v1.1 R9_U_5v1.2 U3_U_5v1.5 | length 3.8
  Top Layer w0.3: R6_U_5v1.1 49.346,94.556 50.504,94.556 R9_U_5v1.2@50.55,94.51 ; U3_U_5v1.5 50.55,92.01 R9_U_5v1.2@50.55,94.51 ; R9_U_5v1.2 R9_U_5v1.2@50.55,94.51
NetR6_U_5v1_2: R6_U_5v1.2 R7_U_5v1.1 | length 2.2
  Top Layer w0.3: R7_U_5v1.1 47.785,96.945 48.31,96.42 48.385,96.42 49.308,95.497 R6_U_5v1.2
NetR6_U_5v2_1: R6_U_5v2.1 R9_U_5v2.2 U3_U_5v2.5 | length 3.4
  Top Layer w0.3: R6_U_5v2.1 53.402,69.175 54.23,68.347 U3_U_5v2.5
NetR6_U_5v2_2: R6_U_5v2.2 R7_U_5v2.1 | length 2
  Top Layer w0.3: R6_U_5v2.2 53.4,71.675 R7_U_5v2.1
NetR8_U_5v1_2: R8_U_5v1.2 U3_U_5v1.3 | length 2.2
  Top Layer w0.3: R8_U_5v1.2 R8_U_5v1.2 53.08,94.125 U3_U_5v1.3@53.08,92.65
NetR8_U_5v2_2: R8_U_5v2.2 U3_U_5v2.3 | length 3.3
  Top Layer w0.3: U3_U_5v2.3 56.77,68.645 57.214,69.089 57.214,69.091 57.298,69.175 R8_U_5v2.2
NetR11_U_5v1_2: R11_U_5v1.2 U3_U_5v1.2 | length 2.4
  Top Layer w0.3: R11_U_5v1.2 54.33,94.325 54.33,92.02 U3_U_5v1.2
NetR11_U_5v2_2: R11_U_5v2.2 U3_U_5v2.2 | length 4.1
  Top Layer w0.3: U3_U_5v2.2 58.04,66.865 58.555,67.38 58.555,67.621 59.9,68.966 60.191,68.966 R11_U_5v2.2
NetRbst1_1: Rbst1.1 U2.6 | length 1.3
  Top Layer w0.6: U2.6 43.655,40.3 43.655,39.425 Rbst1.1
NetRfbb2_1: Rfbb2.1 Rfbt2.1 U2.4 | length 4
  Top Layer w0.3: Rfbb2.1 Rfbt2.1 40.855,42.225 43.455,42.225 U2.4
RxD: J2.32 P1.3 | length 105.1
  Top Layer w0.254: J2.32 23.451,52.409 23.451,50.926 24.065,50.311 24.508,49.869 cw(c24.5,48.82) 25.24,49.563 27,47.804 27,31 34.5,23.5 34.5,23.399 34.649,23.25 69.75,23.25 ; 27,23.399 27.149,23.25 ; 70,23 69.75,23.25 ; P1.3 85.262,21.778 85.262,22.238 83.997,23.503 83.997,34.67 83.338,35.329 81.829,35.329 69.75,23.25
SCL: J2.5 P5.4 P7.3 | length 21.4
  Top Layer w0.254: J2.5 27.473,83.947 27.473,81.027 29.5,79 29.5,75.693 34.442,70.751 34.442,69.678 P5.4
SDA: J2.3 P5.5 P7.4 | length 21.4
  Top Layer w0.254: J2.3 24.587,89.374 24.587,88.317 28.5,84.404 28.5,81.282 30.5,79.282 30.5,76.16 P5.5
SERVO1: P1.12 P4_9GOUT1.1 | length 36.9
  Top Layer w0.254: P4_9GOUT1.1 81.5,66 77.5,66 75.5,64 75.5,47 78.5,44 83.36,44 84.463,42.897 85.5,42.897
SERVO2: P1.10 P4_9GOUT2.1 | length 46
  Top Layer w0.254: 85.5,40.357 86.118,40.357 86.726,39.75 87.344,39.75 87.5,39.905 87.5,43 86.5,44 85.5,45 78.5,45 76.5,47 76.5,63.415 78.085,65 84.5,65 P4_9GOUT2.1
SERVO3: P1.8 P4_9GOUT3.1 | length 67.7
  Top Layer w0.254: P4_9GOUT3.1 52.5,15 87.351,15 89.5,17.149 89.5,32.78 85.5,36.78
SERVO4: P1.6 P4_9GOUT4.1 | length 68.4
  Top Layer w0.254: P4_9GOUT4.1 42.5,10 47.914,15.414 86.914,15.414 88.5,17 88.5,31.24 85.5,34.24
SERVO5: P1.11 P4_9GOUT5.1 | length 78.4
  Top Layer w0.254: P4_9GOUT5.1 28.5,10 34.328,15.828 86.328,15.828 87.5,17 87.5,29.7 P1.11
SERVO6: P1.9 P4_9GOUT6.1 | length 77.9
  Top Layer w0.254: P4_9GOUT6.1 31.742,16.242 85.63,16.242 86.537,17.149 86.537,28.123 P1.9
TxD: J2.33 P1.5 | length 96.1
  Top Layer w0.254: J2.33 28.75,47.11 28.75,32.25 36.25,24.75 69.101,24.75 69.25,24.899 69.25,25.236 79.757,35.743 83.757,35.743 84.463,35.037 84.463,25.117 P1.5
VBAT: C1_U_5v1.2 C1_U_5v2.2 C2_U_5v1.1 C2_U_5v2.1 C3_U_5v1.1 C3_U_5v2.1 C5_U_5v1.1 C5_U_5v2.1 Cbk2.1 Cin2.2 Cin3.2 Cinx2.1 J1_MOUT1.2 J1_MOUT2.2 J1_MOUT3.2 J1_MOUT4.2 J1_MOUT5.2 J1_MOUT6.2 J1_MOUT7.2 J1_MOUT8.2 J1_MOUT9.2 J1_MOUT10.2 J1_MOUT11.2 J1_MOUT12.2 P2.1 Q1.1 Q1.2 Q1.6 Q1.7 R2.2 R5_U_5v1.2 R5_U_5v2.2 U2.3 U3_U_5v1.1 U3_U_5v2.1 | length 173.8
  Top Layer w0.3: 2.5,10.25 5.5,7.25 9.5,7.25 ; 10.25,73.25 10.75,72.75 ; 18.5,6 30,17.5 82.959,17.5 84.02,18.561 84.02,21.979 83.399,22.6 81.587,22.6 81.437,22.45 R2.2 ; Cinx2.1@48.53,42.2 Cinx2.1 Cinx2.1@48.91,42.42 ; Cin2.2 Cin2.2@55.08,42.42
  Top Layer w0.6: U2.3 Cinx2.1@48.53,42.2
  Top Layer w1: Cinx2.1@48.91,42.42 Cin3.2 Cin2.2 ; Cin2.2@55.08,42.42 57.25,40.25 Cbk2.1 ; C5_U_5v2.1@64.7,67.5 C5_U_5v2.1@64.762,67.437
  Top Layer w1.2: 1.75,36 2.25,35.5 ; 1.75,48 2.25,47.5 ; 9.223,37 9.723,36.5 ; 9.25,49 9.75,48.5 ; 9.25,61 9.75,60.5 ; 9.5,73.5 10,73 ; 10.25,61.25 10.75,60.75
  Top Layer w1.5: 2.25,35.5 5.75,35.5 ; 2.25,47.5 5.75,47.5 ; 10.75,12.75 J1_MOUT6.2 ; 10.75,24.75 J1_MOUT5.2 ; 10.75,36.75 J1_MOUT4.2 ; 10.75,48.75 J1_MOUT3.2 ; 10.75,60.75 J1_MOUT2.2 ; 10.75,72.75 J1_MOUT1.2
  Top Layer w2: Cbk2.1 63.83,40.25
  Top Layer w3: 61.513,89.013 63.75,91.25 72,91.25 ; C2_U_5v1.1@64.75,89.25 67.25,91.75 C2_U_5v1.1@65.013,89.513 ; 70.75,92 75.5,92 81.04,97.54 P2.1
pads on no net: D1_U_5v1.2 D1_U_5v2.2 J2.1 J2.7 J2.8 J2.10 J2.11 J2.12 J2.13 J2.15 J2.16 J2.17 J2.18 J2.19 J2.21 J2.22 J2.23 J2.24 J2.26 J2.27 J2.28 J2.29 J2.31 J2.35 J2.36 J2.37 J2.38 J2.40 P1.7 P5.1 P5.6 P5.7 P5.8 P7.5 P7.6 SW_BAT1.1 U2.5
copper on no net: | length 18.7
  Top Layer w0.3: 4.339,14.75 3.75,14.75 2.04,13.04 2.04,6.21 6,2.25 9.25,2.25

## Polygon pours and split planes (outlines as drawn)
GND on Top Layer "GND_L01_P042" (solid, pour order 42): 70.5,86 68.75,84.25 67.75,80.75 58.5,80.75 58.25,81 58.25,85.75
VBAT on Top Layer "VBAT_L01_P032" (solid, pour order 32): 55,95 55,86.25 58.5,86.25 58.75,86.25 70.25,86.25 70.25,95
5V on Top Layer "5V_L01_P035" (solid, pour order 35): 52.4,58.725 52.4,67.475 49.9,67.475 49.9,66.225 40.65,66.225 40.692,60.225 45.65,60.225 45.65,58.725
no net on Top Layer "NONET_L01_P034" (solid, pour order 34): 22,112.25 22,109.75 21.75,109.5 15.75,109.5 15.75,105.5 21.5,105.5 21.5,103 21.25,103.25 14.75,103.25 14.75,112.25
VBAT on Top Layer "VBAT_L01_P033" (solid, pour order 33): 58.65,69.225 71.65,69.225 71.65,62.225 58.65,62.225
5V on Top Layer "5V_L01_P019" (solid, pour order 19): 40.75,85.5 41,85.5 48.5,85.5 48.5,93.25 36,93.25 36,86.5 36.25,86.25 40.75,86.25
no net on Top Layer "NONET_L01_P011" (solid, shelved, pour order 11): 50.8,88.3 48.2,85.7 46.5,85.7 46.5,91 49.979,91 50.5,90.479 51.3,90.479 51.3,88.769 51.332,88.737 51.332,88.323 51.323,88.3
GND on Top Layer "NONET_L01_P038" (solid, shelved, pour order 38): 91.5,125 91.5,0 7.5,0 7.5,125
GND on Top Layer "NONET_L01_P010" (solid, shelved, pour order 10): 45.227,90.3 43.827,90.3 43.827,89.5 41.327,87 30.227,87 30.227,82 45.227,82
VBAT on Top Layer "NONET_L01_P002" (solid, shelved, pour order 2): 52,89.082 52,92.25 60.5,92.25 60.5,89.75 58.25,89.75 57.75,89.25 57.75,88.25 53.75,88.25 53.75,89.082
VBAT on Top Layer "NONET_L01_P009" (solid, shelved, pour order 9): 25.5,99 21.5,99 21.5,107 26.5,107 26.5,104 28.5,102 35.5,95 67.5,95 67.5,71 63.5,71 63.5,92 32.5,92
VBAT on Top Layer "NONET_L01_P006" (solid, shelved, pour order 6): 16.5,110 23.5,110 23.5,113 15.5,113 13.5,113 13.5,108 12.5,107 7.5,107 7.5,8 12.5,8 12.5,100 13.5,101 15.5,101 23.5,101 23.5,107 16.5,107
NetBATTERY_CONNECTOR_0 on Top Layer "NONET_L01_P000" (solid, shelved, pour order 0): 23.5,110 23.5,112.941 35.441,112.941 35.5,113 35.5,103 33.5,103 26.5,103 26.5,107 16.5,107 16.5,110
NetCbst1_2 on Top Layer "NONET_L01_P018" (solid, shelved, pour order 18): 46.83,37.05 46.23,37.05 46.23,38.25 46.83,38.25 46.83,40.702 46.582,40.95 46.03,40.95 46.03,41.55 49.83,41.55 49.83,35.55 46.83,35.55
GND on Bottom Layer "NONET_L02_P017" (solid, shelved, pour order 17): 7.5,125 91.5,125 91.5,0 7.5,0
5V on Bottom Layer "NONET_L02_P014" (solid, shelved, pour order 14): 44.5,87 29.5,87 29.5,82 44.5,82
VBAT on Bottom Layer "NONET_L02_P013" (solid, shelved, pour order 13): 12.5,8 7.5,8 7.5,107 12.5,107 13.5,107 13.5,113.2 13.5,101 12.5,100

## Text inside footprints (layer, text, board x,y; h text height)
P1: Top Overlay "1" at 86.008,16.46 h0.8 r90; Top Overlay "2" at 83.468,16.46 h0.8 r90; Top Overlay "23" at 86.008,48.464 h0.8 r90; Top Overlay "24" at 83.468,48.464 h0.8 r90